# KiCad board Stima V4 Master.kicad_pcb (continued)
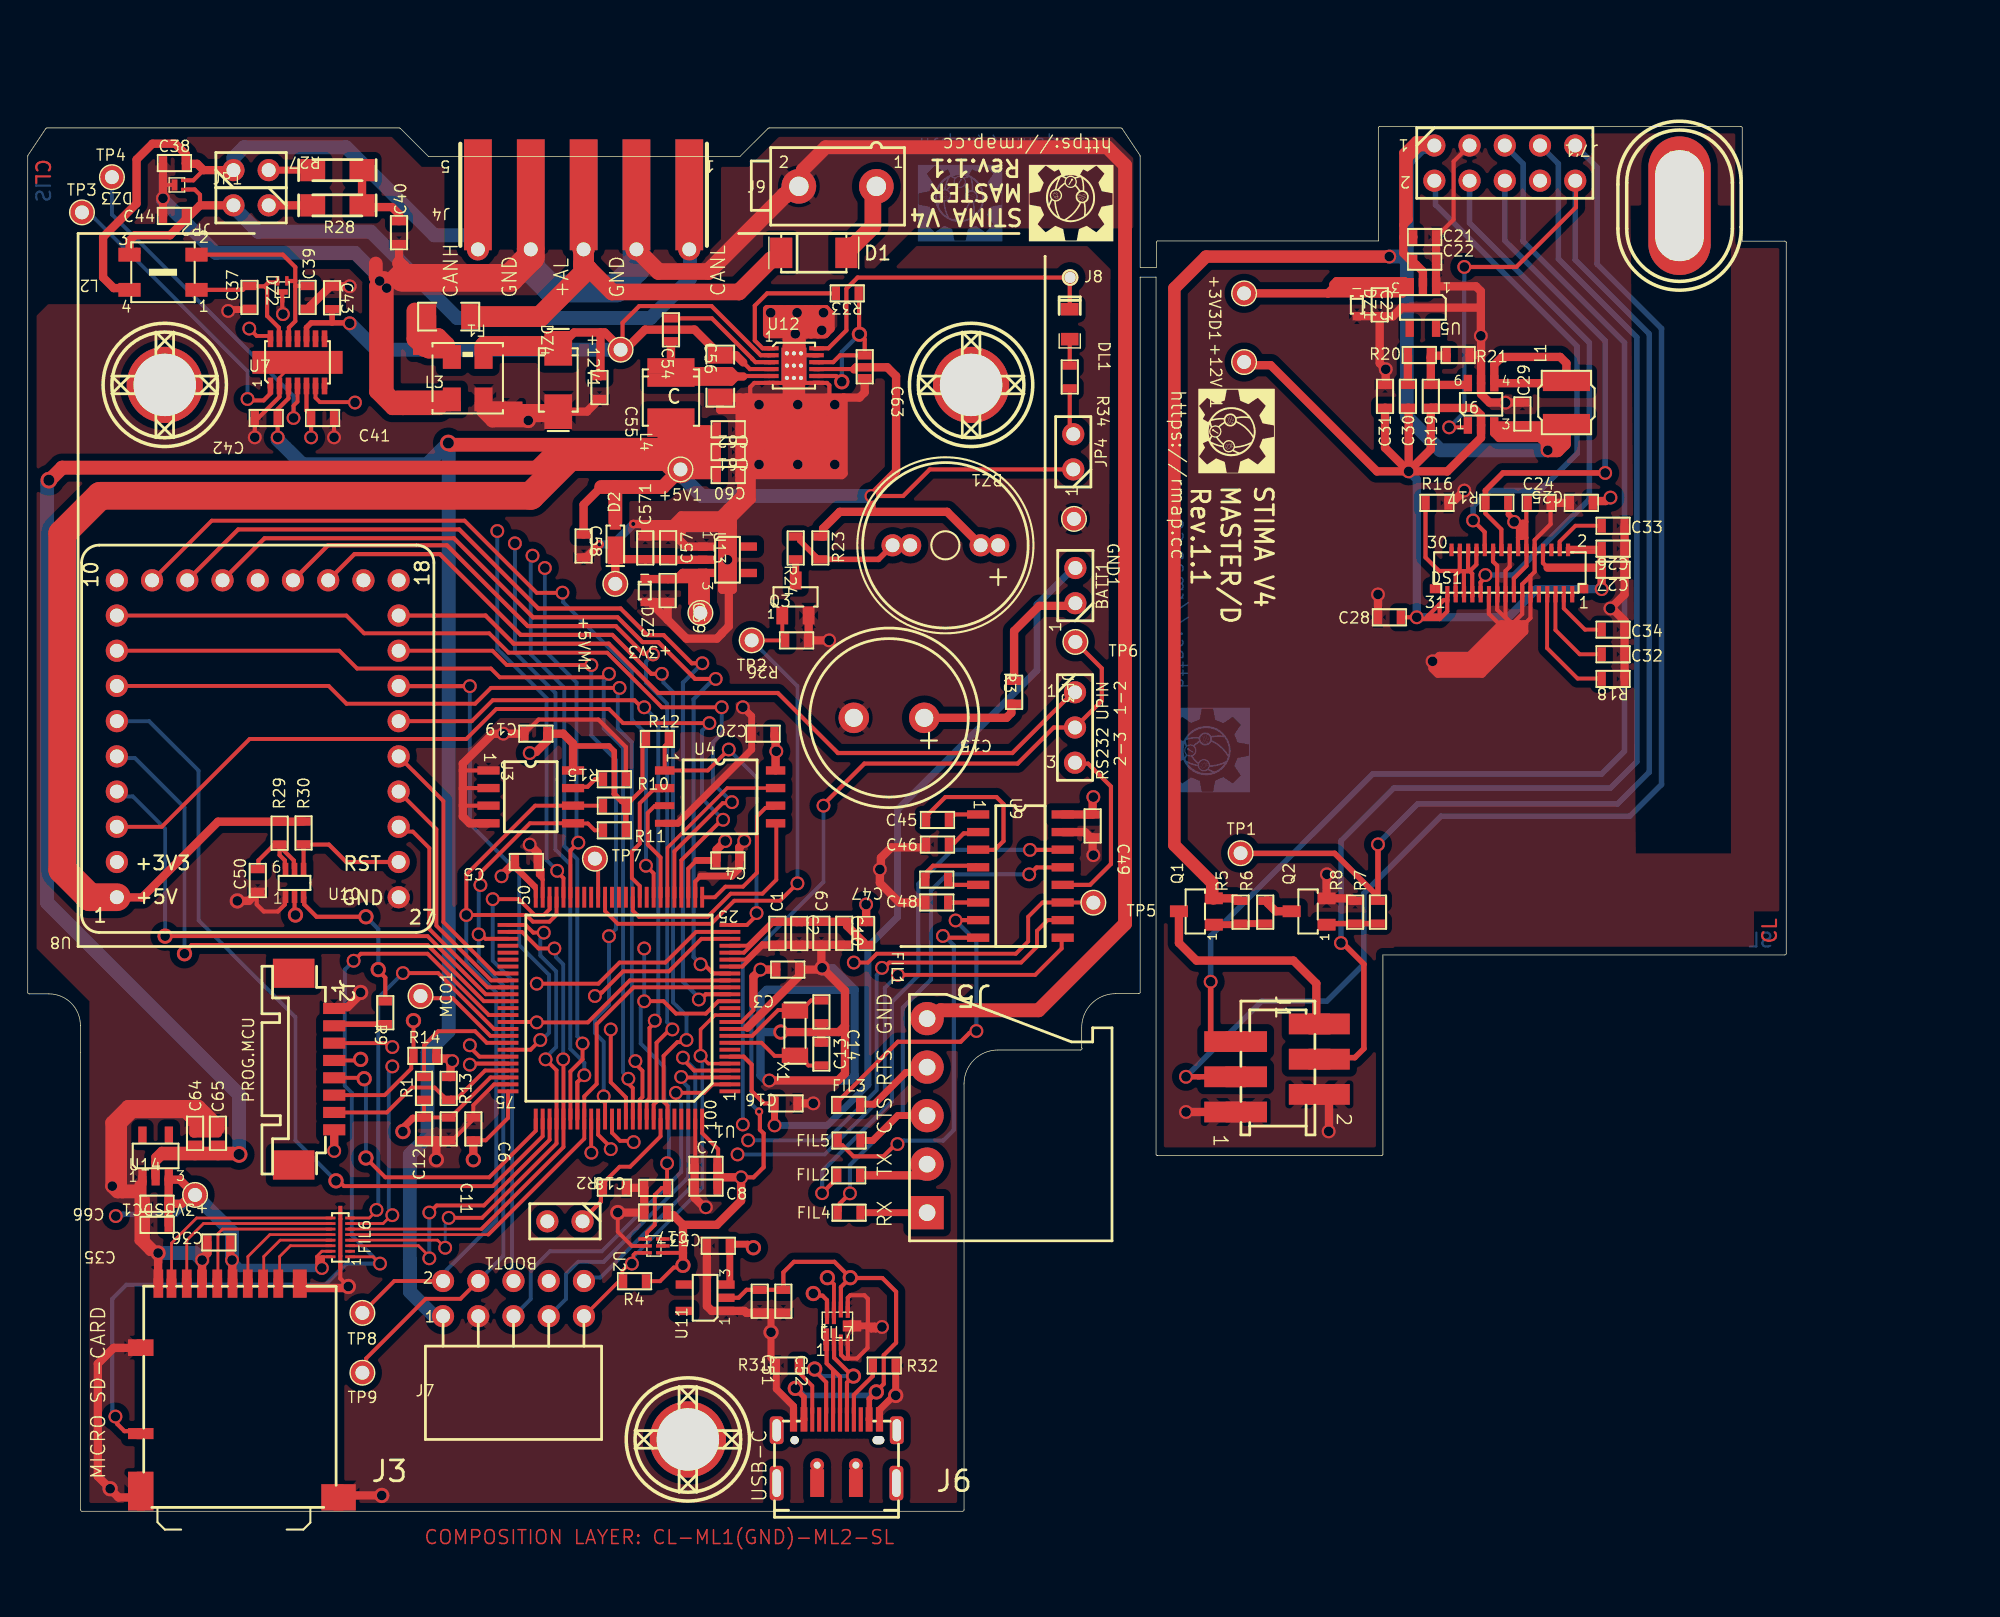
[diagram p0: board, top side]
## Routing (per net, layer and track width the routed paths; a pad name or vN(x,y) marks a point on that pad's centre or on a via; arc(x,y) is an arc through that point) (continued)
-RESET: length 61.6
  Top Layer w0.28: U2.1 44.65,20.1 45.21,20.66 45.21,22.82 45.72,23.33 C18.1 v1(46.1,25.11) ; v1(44.45,36.79) 44.45,36.79 45.84,36.79 46.74,35.9 48.89,35.9 49.79,36.79 U1.14
  Top Layer w0.3: U10.3 19.94,44.28 19.94,43.78 20.83,42.89 v2(24.38,42.89) ; R9.1 25.78,38.5 25.27,39.01 v2(25.27,39.08)
  Mid-Layer 2 w0.28: 44.61,40.6 43.63,39.61 25.85,39.61 25.31,39.08 v2(25.27,39.08)
  Bottom Layer w0.28: v1(46.1,25.11) 46.23,25.23 46.23,29.38 45.9,29.71 45.9,32.04 44.2,33.74 44.2,36.34 44.45,36.59 44.45,40.47
  Bottom Layer w0.3: v2(24.38,42.89) 25.27,42 v2(25.27,39.08)
  vias: v1(44.45,40.6)
/Stima V4 Master_Can_RS232/CANH: length 46.3
  Top Layer w0.3: 12.67,96.75 11.94,96.01 DZ3.2
  Top Layer w0.6: JP1.1 12.67,96.75 12.22,97.2 11.4,97.2 C38.2 11.4,97.89 10.64,98.65 8.99,98.65 7.85,97.51 7.85,94.33 5.43,91.92 5.43,89 6.2,88.24 7.21,88.24 L2.4
  Bottom Layer w1: JP1.1 14.83,97.64 15.59,98.4 22.96,98.4 29.31,92.05 32.46,92.05 J4.5
/Stima V4 Master_Can_RS232/CANL: length 51.5
  Top Layer w0.3: DZ3.1 12.04,95.35 12.42,94.97 12.42,94.21
  Top Layer w0.6: L2.3 7.64,90.65 7.84,90.85 ; 11.4,93.25 11.4,93.19 10.26,92.05 7.72,92.05 7.34,91.67 7.34,90.78 ; 11.43,93.22 12.42,94.21 14.83,94.21
  Bottom Layer w1: J4.1 47.75,90.98 47.75,88.93 44.91,86.08 30.96,86.08 24.74,92.3 16.61,92.3 14.83,94.08 14.83,94.21
/Stima V4 Master_Can_RS232/RST: length 9.2
  Top Layer w0.3: U10.4 R30.1 19.9,48.09 21.72,48.09 22.97,46.84 U8.26
/Stima V4 Master_Can_RS232/USART2_RX: length 54.6
  Top Layer w0.3: 75.44,59.14 70.99,54.7 58.42,54.7 54.09,59.03 45.45,59.03 41.9,62.58 35.04,62.58 33.01,64.62 U8.19
/Stima V4 Master_Cpu/PA2/F_-CS: length 22.7
  Top Layer w0.28: v1(50.55,54.95) 49.04,53.44 U4.1 45.92,55.21 46.23,55.51 R12.2 ; v1(52.55,43.15) 52.55,42.99 51.86,42.29 U1.25
  Bottom Layer w0.28: v1(52.55,43.15) 52.55,52.95 v1(50.55,54.95)
/Stima V4 Master_Cpu/PA3/F_SCK: length 10.4
  Top Layer w0.28: U1.26 49.54,44.29 50.31,45.06 51.58,45.06 52.58,46.06 52.58,50.12 53.19,50.74 53.76,50.74 U4.6
/Stima V4 Master_Cpu/PA6/F_I/O3: length 13.1
  Top Layer w0.25: U1.31 46.13,47.87 50.43,52.17 U4.7
/Stima V4 Master_Cpu/PA7/F_I/O2: length 7.9
  Top Layer w0.28: U1.32 45.63,47.17 44.7,48.09 44.7,50.38 45.21,50.89 45.91,50.89 U4.3
/Stima V4 Master_Cpu/PA13/SWDIO: length 14.5
  Top Layer w0.28: U1.72 32.98,31.79 31.02,29.84 30.51,29.84 R13.1 ; 30.35,29.79 30.04,29.79 29.99,29.84 29.99,29.91 29.34,30.57 27.69,30.57 25.89,28.77 J2.7
/Stima V4 Master_Cpu/PA14/SWCLK: length 23
  Top Layer w0.28: J2.5 24.19,31.27 v2(24.26,31.2) ; U1.76 36.63,27.44 33.27,24.09 25.78,24.09 v2(24.38,25.49)
  Bottom Layer w0.28: v2(24.38,25.49) 24.38,31.07 v2(24.26,31.2)
/Stima V4 Master_Cpu/PB0/F_I/O1: length 9.5
  Top Layer w0.28: U4.2 45.76,52.01 45.07,52.01 44.13,51.07 44.13,48.15 43.56,47.58 43.56,45.68 44.13,45.11 U1.35
/Stima V4 Master_Cpu/PB1/F_I/O0: length 16.7
  Top Layer w0.28: 53.97,49.62 53.97,45.55 52.97,44.55 50.69,44.55 49.02,42.89 44.07,42.89 43.63,43.33 U1.36
/Stima V4 Master_Cpu/PB3/SWO: length 28.8
  Top Layer w0.28: v1(26.29,33.49) 26.09,33.49 25.81,33.77 J2.3 ; v1(42.04,34.76) 42.04,30.95 43.13,29.86 U1.89
  Mid-Layer 2 w0.28: v1(42.04,34.76) 40.51,36.28 35.94,36.28 34.8,35.14 31.24,35.14 29.59,33.49 v1(26.29,33.49)
/Stima V4 Master_Cpu/USART4_RX: length 35.3
  Top Layer w0.28: J2.6 25.74,30.02 27.65,31.93 27.65,32.69 R14.1 v2(27.81,35.39) ; v1(36.7,38.06) 41.15,38.06 42.67,39.58 45.97,39.58 48.18,41.79 U1.24
  Mid-Layer 2 w0.28: v1(36.7,38.06) 35.43,38.06 33.53,36.15 30.35,36.15 29.62,35.42 27.84,35.42 v2(27.81,35.39)
/Stima V4 Master_Cpu/USART4_TX: length 32.6
  Top Layer w0.28: U1.23 48.57,41.29 46.23,38.95 42.93,38.95 41.39,37.41 41.33,37.41 41.09,37.17 v1(40.89,37.17) ; J2.4 23.92,32.52 v2(24,32.6)
  Mid-Layer 2 w0.28: v2(24,32.6) 24.03,32.62 24.03,33.39 25.02,34.38 29.46,34.38 30.73,35.65 34.04,35.65 35.31,36.92 40.45,36.92 40.7,37.17 v1(40.89,37.17)
BUZZER: length 39.7
  Top Layer w0.28: Q3.1 54.41,63.23 54.61,63.02 R26.2 TP2.1 ; v1(55.5,45.3) 54.24,44.04 50.94,44.04 49.28,42.38 42.54,42.38 41.63,43.29 U1.40
  Bottom Layer w0.28: v1(55.5,45.3) 55.5,59.52 TP2.1
CAN1_RX: length 91.8
  Top Layer w0.28: U7.4 19.45,80.04 19.16,79.76 v1(19.16,78.87) ; v1(40,33.74) 40,32.6 39.13,31.72 U1.81
  Mid-Layer 2 w0.28: v1(36.4,68.93) 36.4,70.48 32.36,74.52 20.42,74.52 19.16,75.78 v1(19.16,78.87) 19.21,78.91
  Bottom Layer w0.28: v1(40,33.74) 40,33.88 39.62,34.27 39.62,47.04 38.68,47.98 38.68,59.41 36.27,61.82 36.27,68.81 v1(36.4,68.93) ; v1(19.16,78.87) 19.16,80.45 6.07,93.55 TP4.1
CAN1_TX: length 92.3
  Top Layer w0.3: v1(40.13,31.46) 39.63,30.95 U1.82 ; v1(15.85,80.24) 15.95,80.14 17.01,80.14 17.5,80.63 U7.1 U7.1
  Mid-Layer 2 w0.28: v1(15.85,80.24) 15.65,80.24 15.38,79.97 15.38,79.97 15.21,79.8 15.21,76.94 18.26,73.89 32.1,73.89 35.13,70.86 v1(35.13,69.82)
  Bottom Layer w0.28: v1(15.85,80.24) 15.85,82.24 4.81,93.29 4.73,93.29 4.32,93.7 TP3.1 ; v1(35.13,69.82) 35.13,61.95 38.05,59.03 38.05,47.73 39.12,46.66 39.12,33.36 40.13,32.34 v1(40.13,31.46)
EGND: length 190.7
  Top Layer w0.6: 26.77,90.03 C40.1 ; C44.1 v1(9.75,94.72) C38.1 ; 25.35,88.61 25.41,88.61 25.77,88.24 v1(25.88,88.24)
  Top Layer w1: 27.06,79.58 25.88,80.76 v1(25.88,88.24) ; 27.06,79.58 29.67,79.58 29.95,79.86 30.43,79.86 30.44,79.87 30.44,80.35 ; 27.06,79.58 26.29,79.58 25.12,80.75 25.12,88.38 25.7,88.96 ; 25.98,88.68 27.05,89.75 26.77,90.03 ; 26.67,80.35 30.44,80.35 ; 30.44,80.35 L3.4 ; J9.2 55.89,95.87 55.89,96.75 57.53,98.4 77.82,98.4 79.12,97.1 79.12,42.38 72.89,36.14 65.82,36.14 65.22,35.55 64.85,35.55 ; v1(25.37,88.75) 25.09,89.03 25.09,90
  Top Layer w1.2: J4.2 45.49,89.44 49.08,89.44 54.57,94.93 54.6,94.93 55.25,95.58 J9.2
  Top Layer w2: J4.4 36.27,90.47 34.77,88.97 27.03,88.97
  Bottom Layer w1: v1(9.75,94.72) 9.75,94.59 13.56,90.78 23.6,90.78 25.88,88.49 v1(25.88,88.24)
  Bottom Layer w2: J4.2 43.89,89.66 42.44,88.21 37.72,88.21 36.27,89.66 J4.4
EN+5VE: length 350.4
  Top Layer w0.28: U6.1 103.7,78.19 v1(102.49,78.19) ; U1.4 48.05,31.79 47.12,32.73
  Top Layer w0.3: v1(103.58,89.76) 107.33,89.76 111.63,94.07 111.63,95.93 J7'1.10
  Top Layer w0.4: 97.36,48.17 R7.2 97.18,44.04 97.08,44.14 97.08,44.61 94.23,47.46 87.47,47.46 TP1.1
  Layer 1 w0.254: 111.61,95.99 112.93,97.31 112.93,101.81 113.94,102.83 125.12,102.83 136.04,91.91 136.04,34.25 100.99,-0.8 42.7,-0.8 41.43,0.47 41.43,15.31 40.13,16.61
  Bottom Layer w0.28: J7.10 40.35,16.86 41.28,16.86 48.13,23.71 48.13,31.84 v1(47.24,32.73) 47.12,32.73
  Bottom Layer w0.3: v1(103.58,89.76) 103.58,79.28 v1(102.49,78.19)
  Bottom Layer w0.4: v1(97.36,48.11) 97.36,48.17 100.22,51.03 114.63,51.03 116.92,53.31 116.92,84.94 111.58,90.27 J7'1.10
EN_CAN: length 48.9
  Top Layer w0.28: v1(39.7,48.23) 39.13,47.66 U1.45 ; v1(23.6,79.98) 23.57,80.01 21.07,80.01 20.75,80.33 U7.6
  Mid-Layer 2 w0.28: v1(23.6,79.98) 28.29,75.28 32.61,75.28 37.41,70.48 37.41,68.17 v1(37.29,68.05)
  Bottom Layer w0.28: v1(39.7,48.23) 39.57,48.36 39.57,59.79 37.29,62.08 v1(37.29,68.05)
ENC_A: length 354.3
  Top Layer w0.28: v1(46.74,30.19) 48.77,30.19 49.38,30.79 U1.2
  Top Layer w0.4: v1(85.29,38.2) 85.29,34.43 85.84,33.88 J1.5
  Layer 1 w0.254: J7'1.5 106.5,103.41 108.08,104.99 126.11,104.99 138.18,92.92 138.18,32.85 102.11,-3.22 38.23,-3.22 35.05,-0.04 35.05,14.04 J7.5
  Bottom Layer w0.28: 46.74,30.06 46.74,29.87 47.12,29.48 47.12,24.47 41.4,18.76 37.65,18.76 36.27,17.37 36.27,15.32 J7.5
  Bottom Layer w0.4: J7'1.5 107.82,97.2 107.82,91.62 115.14,84.3 115.14,54.84 113.49,53.19 96.98,53.19 85.29,41.5 v1(85.29,38.2)
ENC_B: length 341.5
  Top Layer w0.28: v1(47.12,31.33) 47.15,31.29 U1.3
  Top Layer w0.4: 94.82,40.99 96.34,39.47 96.34,33.37 95.69,32.73 93.94,32.73 J1.4
  Layer 1 w0.254: J7.7 37.57,-0.14 39.5,-2.07 101.6,-2.07 137.03,33.36 137.03,92.42 125.48,103.97 110.11,103.97 109.04,102.9 J7'1.7
  Bottom Layer w0.28: J7.7 38.81,15.32 38.81,17.12 39.69,17.99 41.53,17.99 47.62,24.09 47.62,30.6 47.12,31.11 v1(47.12,31.33)
  Bottom Layer w0.4: v1(94.69,40.99) 94.69,48.36 98.5,52.17 114.12,52.17 116.03,54.08 116.03,84.68 110.36,90.35 110.36,97.2 J7'1.7
I2C1_SCL: length 62.4
  Top Layer w0.28: v1(47.5,34) 47.35,33.84 46.84,33.84 45.85,32.85 45.85,29.55 46.13,29.27 U1.95
  Top Layer w0.3: U8.16 23.56,69.05 29.72,69.05 35.55,63.22 42.15,63.22 44.96,60.41 v1(45.72,60.41)
  Bottom Layer w0.28: v1(45.72,60.41) 45.84,60.3 45.84,59.79 46.53,59.09 46.53,36.71 47.5,35.74 v1(47.5,34)
I2C1_SDA: length 65.5
  Top Layer w0.28: v1(46.48,34.76) 46.29,34.76 45.34,33.8 45.34,29.55 45.13,29.34 U1.93
  Top Layer w0.3: U8.15 21.65,69.68 30.23,69.68 36.05,63.85 42.4,63.85 44.4,61.86 45.03,61.86 v1(45.08,61.81)
  Bottom Layer w0.28: v1(45.08,61.81) 45.08,61.79 44.58,61.28 44.58,59.78 46.1,58.25 46.1,35.28 46.48,34.9 v1(46.48,34.76)
KEY1: length 346.7
  Top Layer w0.25: U1.5 49.07,32.29 48.53,32.83 ; v1(48.51,32.85) 48.51,34.76 49.55,35.79 U1.12 ; 42.87,16.84 42.93,16.79 R4.1 ; 42.87,16.84 42.87,17.35 43.4,17.87 v1(43.56,17.87) 43.67,17.97 43.67,18.5 43.82,18.64 U2.3 ; 42.87,16.84 J7.9
  Top Layer w0.28: J7.9 40.46,14.07
  Top Layer w0.4: 84.4,31.34 J1.3 ; v1(83.51,31.34) 84.43,31.34
  Layer 1 w0.254: 111.56,98.53 111.48,98.6 111.48,102.32 112.62,103.46 125.2,103.46 136.5,92.16 136.5,33.87 101.19,-1.44 41.87,-1.44 40.23,0.2 40.23,14.06 40.22,14.07 J7.9 40.08,14.07
  Bottom Layer w0.25: v1(43.56,17.87) 43.7,18.01 43.7,18.39 48.64,23.33 48.64,32.73 v1(48.51,32.85)
  Bottom Layer w0.4: v1(83.51,31.34) 88.98,36.8 93.67,36.8 96.34,39.47 96.34,44.58 101.9,50.14 115.52,50.14 117.8,52.42 117.8,85.32 113.16,89.96 113.16,96.95 J7'1.9
PA11/USB_DM: length 41.6
  Top Layer w0.28: 57.68,16.83 58.13,16.38 FIL7.7 ; U1.70 32.57,32.79 31.88,33.49 v1(31.88,33.61)
  Mid-Layer 2 w0.4: v2(57.66,16.85) 57.66,18.5 55.24,20.91 47.37,20.91 44.32,23.96 38.48,23.96 33.27,29.17 33.27,32.22 v1(31.88,33.61)
PA12/USB_DP: length 39.4
  Top Layer w0.3: FIL7.8 57.63,15.23 57.3,15.55 56.8,15.55 v2(56.64,15.71) ; 31.88,32.29 U1.71
  Mid-Layer 2 w0.4: v1(31.88,32.22) 31.88,29.55 38.1,23.33 43.81,23.33 46.99,20.15 54.23,20.15 55.88,18.5 55.88,16.47 v2(56.64,15.71)
PB10/I2C2_SCL: length 351.4
  Top Layer w0.28: TP8.1 26.43,16.61 J7.2 ; R10.1 U3.6 36.59,50.9 31.62,45.93 v1(31.62,43.01) 35.94,43.01 36.42,42.53 37.62,42.53 38.13,43.04 U1.47 ; 105.04,69.69 105.05,69.68
  Top Layer w0.3: 105.05,69.5 105.05,70.64 v1(104.22,71.47)
  Layer 1 w0.254: J7'1.2 102.62,97.18 102.62,102.7 106.43,106.51 126.75,106.51 139.7,93.56 139.7,31.58 103.12,-4.99 35.67,-4.99 31.24,-0.56 31.24,15.31 J7.2
  Bottom Layer w0.28: v1(31.62,43.01) 31.62,39.58 33.78,37.42 33.78,20.98 30.2,17.4 30.2,16.86 J7.2
  Bottom Layer w0.4: J7'1.2 101.5,95.9 101.5,94.25 111.71,84.05 111.71,76.3 109.04,73.63 105.36,73.63 104.22,72.49 v1(104.22,71.47)
PB14/I2C2_SDA: length 340.3
  Top Layer w0.28: v1(32.51,41.62) 32.69,41.62 33.01,41.29 U1.53 ; TP9.1 24.4,10.26 24.4,11.03 28.7,15.33 31.2,15.33 J7.4 ; 32.64,45.3 32.64,46.06 36.21,49.63 U3.5 39.33,49.62 40.39,49.62 40.88,49.12 R11.1
  Top Layer w0.3: 104.75,65.99 104.75,67.01 105.1,67.36 v1(105.1,67.54)
  Layer 1 w0.254: J7'1.4 105.16,97.18 105.16,103.34 107.31,105.5 126.36,105.5 138.68,93.18 138.68,32.47 102.36,-3.85 37.08,-3.85 33.78,-0.55 33.78,15.31 J7.4
  Bottom Layer w0.28: v1(32.64,45.17) 32.51,45.04 v1(32.51,41.62) 32.51,39.71 34.29,37.93 34.29,18.41 J7.4
  Bottom Layer w0.4: J7'1.4 103.96,92.94 112.6,84.3 112.6,73 107.14,67.54 v1(105.1,67.54)
PD3/232_CTS: length 49.3
  Top Layer w0.28: 62.75,38.69 72.64,38.69 74.55,40.6 74.55,41.36 ; U1.84 40.63,25.88 v1(40.64,25.87) ; 74.07,41.22 74.23,41.38 U9.9
  Mid-Layer 2 w0.28: v1(40.64,25.87) 41.4,25.11 44.32,25.11 45.34,26.12 50.66,26.12 51.04,25.74 v1(51.18,25.74)
  Bottom Layer w0.28: v1(51.18,25.74) 57.47,25.74 61.8,30.07 61.8,37.75 v1(62.74,38.69)
PD4/232_RTS: length 47.8
  Top Layer w0.28: v1(61.59,39.2) 61.74,39.2 62.12,39.58 71.63,39.58 72.77,40.73 72.77,41.87 73.55,42.65 U9.10 ; U1.85 41.13,27.16 42.04,26.25 v1(42.04,26.12)
  Mid-Layer 2 w0.28: v1(42.04,26.12) 42.18,26.12 42.56,25.74 44.2,25.74 45.21,26.76 51.82,26.76
  Bottom Layer w0.28: v1(61.59,39.2) 61.59,39.06 61.21,38.68 61.21,30.38 57.59,26.76 v1(51.94,26.76)
PD5/232_TX: length 88
  Top Layer w0.28: TP5.1 76.82,43.92 U9.11 73.17,43.92 72.14,42.89 72.14,41.11 71.25,40.22 61.21,40.22 60.58,39.58 v1(59.56,39.58) ; v1(40.64,61.05) 34.54,61.05 33.51,62.08 U8.20 ; v1(41.53,29.93) 41.63,29.83 U1.86
  Mid-Layer 2 w0.28: v1(41.91,41.49) 42.8,42.38 50.67,42.38 51.43,41.62 57.53,41.62 v1(59.56,39.58)
  Bottom Layer w0.28: v1(40.64,61.05) 40.64,55.97 42.42,54.19 42.42,42.01 41.91,41.5 v1(41.91,41.49) 41.91,36.54 40.89,35.52 40.89,34.5 41.53,33.87 v1(41.53,29.93)
PD6/232_RX: length 65.3
  Top Layer w0.28: 43.69,26.72 42.71,26.72 42.13,27.3 U1.87 ; 75.45,56.35 75.83,56.35
  Top Layer w0.3: TP6.1 77.44,60.81 77.44,58.47 JP3.2 73.98,56.54 71.37,53.93 60.32,53.93 57.28,50.89
  Mid-Layer 2 w0.28: 51.56,27.77 51.05,27.26 44.47,27.26 43.83,26.63 v1(43.69,26.63)
  Bottom Layer w0.28: v1(57.38,50.9) 57.38,45.4 51.56,39.58 v1(51.56,27.9)
SD_DTC: length 69.6
  Top Layer w0.2: FIL6.1 24.91,18.36 25.27,17.99
  Top Layer w0.28: v1(23.49,39.71) 23.51,39.71 24.02,40.22 28.83,40.22 33.25,35.79 U1.64
  Top Layer w0.3: v1(6.32,6.83) 6.46,6.7 6.46,6.29 6.97,5.78 7.66,5.78 J3.CD1
  Bottom Layer w0.28: v1(23.49,39.71) 22.86,39.08 22.86,30.69 23.37,30.19 23.37,19.9 v1(25.4,17.87)
  Bottom Layer w0.3: v1(6.32,6.83) 6.32,7.02 6.1,7.25 6.1,15.33 7.11,16.34 21.46,16.34 22.99,17.87 v1(25.4,17.87)
SDMMC1_CK: length 36.4
  Top Layer w0.2: FIL6.6 32.71,20.36
  Top Layer w0.28: v1(38.61,32.6) 38.63,32.58 U1.80 38.63,26.27 32.71,20.36 ; U1.52 35.64,41.79 36.83,40.6 v1(37.97,40.6)
  Bottom Layer w0.28: v1(38.61,32.6) 38.61,39.46 38.09,39.98 38.09,40.48 v1(37.97,40.6)
SDMMC1_CMD: length 38.9
  Top Layer w0.2: FIL6.5 33.2,19.96
  Top Layer w0.28: 33.2,19.96 40.13,26.88 U1.83 ; U1.16 43.68,37.79 41.02,35.14 41.02,30.82 40.13,29.93 40.13,28.41
SDMMC1_D0: length 43.4
  Top Layer w0.2: FIL6.7 FIL6.7 25.62,20.76 26.28,21.42
  Top Layer w0.28: U1.65 36.67,35.29 v1(36.7,35.27) 40.39,35.27 43.41,38.29 U1.17
  Mid-Layer 2 w0.28: v1(26.29,32.09) 28.96,32.09 31.37,34.5 35.94,34.5 v1(36.7,35.27)
  Bottom Layer w0.28: v1(26.29,32.09) 26.29,31.9 26.03,31.64 26.03,21.81 26.29,21.55 v1(26.29,21.36)
SDMMC1_D1: length 29.2
  Top Layer w0.2: FIL6.8 24.62,21.16 25.22,21.75
  Top Layer w0.28: U1.66 33.62,34.79 29.59,38.82 v1(27.05,38.82)
  Bottom Layer w0.28: v1(27.05,38.82) 25.27,37.04 25.27,21.87 v1(25.15,21.74)
SDMMC1_D2: length 21.7
  Top Layer w0.2: FIL6.3 28.17,19.16 28.96,18.37 v1(28.96,18.25)
  Top Layer w0.28: v1(28.96,21.55) 28.97,21.55 29.48,22.06 32.89,22.06 37.63,26.79 U1.78
  Bottom Layer w0.28: v1(28.96,18.25) v1(28.96,21.55)
SDMMC1_D3: length 38.5
  Top Layer w0.2: v1(30.1,19.01) 29.55,19.56 FIL6.4
  Top Layer w0.28: U1.51 35.9,42.29 36.45,41.74 v1(37.21,41.74) ; v1(37.34,32.6) 38.13,31.81 U1.79 38.13,26.53 32.77,21.17 v1(30.35,21.17)
  Bottom Layer w0.2: v1(30.1,19.01) 30.1,20.7 30.35,20.95 v1(30.35,21.17)
  Bottom Layer w0.28: v1(37.21,41.74) 37.21,41.55 36.96,41.29 36.96,40.09 38.1,38.95 38.1,33.49 37.34,32.73 v1(37.34,32.6)
SPI1_CLK: length 63
  Top Layer w0.28: v1(50.77,51.15) 50.7,51.08 50.11,51.08 46.63,47.6 U1.30 ; v1(50.04,58) 45.72,58 41.78,61.94 34.67,61.94 33.27,63.33 24.26,63.33 22.97,64.62 U8.9
  Bottom Layer w0.28: v1(50.77,51.15) 49.4,52.52 49.4,55.46 50.04,56.09 v1(50.04,58)
SPI1_MISO: length 69.5
  Top Layer w0.28: U1.90 43.63,30.53 43.31,30.85 43.31,31.07 ; v1(41.91,60.41) 41.72,60.41 41.46,60.16 34.04,60.16 33.4,60.79 23.75,60.79 22.47,62.08 U8.8
  Bottom Layer w0.28: 43.31,31.07 v1(43.31,31.2) 43.31,31.27 42.93,31.65 42.93,55.08 41.53,56.47 41.53,59.89 41.91,60.27 v1(41.91,60.41)
SPI1_MOSI: length 69.2
  Top Layer w0.28: U1.91 44.13,29.68 44.32,29.88 44.32,31.77 43.81,32.28 43.81,32.34 ; U8.7 21.7,59.54 22.99,58.25 32.26,58.25 33.4,59.4 v1(42.67,59.4)
  Bottom Layer w0.28: 43.81,32.34 v1(43.81,32.47) 43.81,32.57 43.56,32.82 43.56,55.46 42.54,56.47 42.54,59.27 v1(42.67,59.4)
SPI1_NSS: length 61.4
  Top Layer w0.28: v1(49.15,56.86) 42.93,56.86 41.91,57.87 33.78,57.87 31.62,55.71 16,55.71 9.67,49.38 U8.3 ; U1.29 47.13,46.96 50.05,49.88 v1(50.14,49.88)
  Bottom Layer w0.28: v1(49.15,56.86) 49.15,56.84 48.61,56.3 48.61,51.41 v1(50.14,49.88)
STB_CAN: length 61.7
  Top Layer w0.28: U7.14 U7.14 16.51,84.79 v1(15.98,85.32) ; v1(38.18,46.2) 38.18,46.13 38.63,45.68 U1.46
  Mid-Layer 2 w0.28: v1(15.98,85.32) 15.98,85.2 14.58,83.81 14.58,76.43 17.88,73.13 31.6,73.13 33.86,70.86 v1(33.86,70.71)
  Bottom Layer w0.28: v1(33.86,70.71) 33.86,62.2 37.41,58.65 37.41,46.96 v1(38.18,46.2)
UPIN27_D4: length 19.5
  Top Layer w0.28: U8.23 29.97,51.23 29.97,42.5 33.68,38.79 U1.58
UPIN27_D5: length 17.6
  Top Layer w0.28: U8.24 29.46,49.2 29.46,42.25 33.42,38.29 U1.59
UPIN27_D6: length 16.1
  Top Layer w0.28: U1.60 33.16,37.79 28.96,42 28.96,47.84 27.77,49.03 27.09,49.03 U8.25
UPIN27_D8: length 38.8
  Top Layer w0.28: U1.61 33.02,37.29 28.83,41.49 v2(9.91,41.49)
  Bottom Layer w0.28: v2(9.91,41.49) 9.91,49.24 7.57,51.57 6.77,51.57 U8.4
UPIN27_D9: length 42.3
  Top Layer w0.28: v2(11.3,40.22) 11.3,40.35 11.81,40.85 28.83,40.85 32.89,36.79 U1.62
  Bottom Layer w0.28: U8.5 6.55,54.33 7.73,54.33 11.3,50.76 v2(11.3,40.22)
UPIN27_D10: length 58.9
  Top Layer w0.28: U1.77 37.13,27.05 33.53,23.45 22.8,23.45 22.42,23.84 v2(22.22,23.84)
  Bottom Layer w0.28: v2(22.22,23.84) 19.3,26.76 19.3,35.65 12.32,42.63 12.32,53.43 8.75,57 U8.6
UPIN27_PC0: length 70.4
  Top Layer w0.3: v1(48.39,36.92) 48.51,36.92 48.89,37.29 U1.15 ; U8.12 15.17,70.83 31.11,70.83 36.82,65.12 42.75,65.12 44.67,63.21 45.85,63.21 47.88,61.17 v1(48.64,61.17)
  Bottom Layer w0.3: v1(48.64,61.17) 47.24,59.78 47.24,38.2 48.39,37.06 v1(48.39,36.92)
UPIN27_PC3: length 64.9
  Top Layer w0.3: U8.13 17.08,70.19 30.73,70.19 36.44,64.49 42.53,64.49 44.32,62.7 45.47,62.7 48.12,60.04 v1(49.61,60.04) ; U1.18 49.43,38.79 48.9,39.32 48.65,39.32 v1(48.51,39.46)
  Bottom Layer w0.3: v1(48.51,39.46) 48.51,39.47 48.01,39.98 48.01,58.57 49.48,60.04 v1(49.61,60.04)
UPIN27_PC4: length 58.2
  Top Layer w0.28: v1(44.58,46.57) 45.13,46.02 U1.33 ; v1(38.56,66.27) 38.54,66.25 36.7,66.25 31.5,71.46 13.27,71.46 U8.11
  Bottom Layer w0.28: v1(44.58,46.57) 44.58,56.09 43.56,57.11 43.56,60.63 38.61,65.58 38.61,66.21 v1(38.56,66.27)
USART1_RX: length 36
  Top Layer w0.28: U1.69 36.26,33.29 v1(36.96,34)
  Top Layer w0.3: U8.21 26.76,59.52 v1(31.88,59.52)
  Bottom Layer w0.28: v1(36.96,34) 37.07,34 37.59,34.52 37.59,38.69 35.43,40.85 35.43,46.02 31.88,49.58 v1(31.88,59.52)
USART1_TX: length 49
  Top Layer w0.28: v1(45.21,35.39) 45.21,35.25 44.83,34.87 44.83,29.78 44.63,29.57 U1.92 ; v1(44.45,58) 44.26,58 43.75,58.51 33.53,58.51 32.02,57 U8.22
  Bottom Layer w0.28: v1(45.21,35.39) 45.21,35.59 45.47,35.84 45.47,56.98 v1(44.45,58)
Net-(BATT1-Pad1): length 8.8
  Top Layer w0.6: BATT1.1 75.35,65.31 72.93,65.31 71.12,63.5 R3.1
Net-(BZ1--): length 8.2
  Top Layer w0.4: BZ1.2 61.34,68.67 56.95,68.67 56.85,68.77 56.85,68.84 55.67,70.02 55.67,70.22 55.57,70.32 R24.1
Net-(C15-Pad1): length 7.3
  Top Layer w0.6: C15.1 70.57,57.24 70.92,57.59 70.92,58.25 R3.2
Net-(C30-Pad2): length 2.2
  Top Layer w0.6: C30.2 R20.1
Net-(C40-Pad2): length 6
  Top Layer w0.6: C40.2 26.77,93.57 26.26,94.08 24.23,94.08 R28.2 R27.1
Net-(D1-A): length 5.9
  Top Layer w1.2: J9.1 60.94,95.33 60.94,92.69 59.53,91.28 59.23,91.28 59.03,91.08 D1.2
Net-(D2-K): length 9.6
  Top Layer w0.6: 42.49,67.35 42.94,66.9 ; 42.37,68.68 C57.1 46.38,68.68 46.42,68.64 U13.2 ; 42.37,68.68 D2.1 ; 42.37,68.68 +5VM1.1
Net-(DL1-A): length 1.9
  Top Layer w0.3: R34.1 DL1.2
Net-(DL1-K): length 24.6
  Top Layer w0.3: U12.12 57.73,83.89 59.03,85.19 59.03,88.19 59.84,89 J8.1 ; DL1.1 75.13,89
Net-(DS1-D2): length 17.9
  Top Layer w0.3: 103.85,69.25 103.85,67.92 103.75,67.82 ; 103.24,67.82 103.49,67.82 ; 103.24,67.82 103.25,67.83 ; 103.24,67.82 102.95,67.53 102.95,66.37 ; 103.49,67.82 103.75,67.82 ; 103.49,67.82 103.55,67.76 103.55,65.99 ; 103.25,67.83 103.25,69.5 ; 103.25,67.83 101.76,67.83 100.79,68.81 R16.1 ; 103.75,67.82 103.98,67.82 ; 104.45,69.5 104.45,68.29 103.98,67.82 ; 104.15,65.99 104.15,67.64 103.98,67.82
Net-(DS1-IREF): length 8.6
  Top Layer w0.28: R18.2 113.46,60.07 111.75,60.07 109.55,62.27 109.55,65.99
Net-(DS1-VCOMH): length 4.2
  Top Layer w0.28: C33.1 111.59,71.09 110.45,69.95 110.45,69.25
Net-(DS1-VSEGM): length 4.2
  Top Layer w0.28: 110.75,65.99 110.75,65.13 112.28,63.6 C34.1
Net-(DS1-VSL): length 6.5
  Top Layer w0.28: C32.1 111.9,61.82 110.15,63.57 110.15,65.99
Net-(F1-Pad2): length 8.9
  Top Layer w1.2: 28.77,83.89 28.9,83.77 L3.1 30.07,84.02 30.2,84.15 29.61,84.74 28.77,84.74 ; 28.77,83.89 28.57,83.89 27.91,84.56 27.91,86.59 ; 28.77,83.89 28.77,84.74 ; F1.2 28.85,84.82 28.77,84.74
Net-(FIL2-Pad2): length 4.9
  Top Layer w0.6: FIL2.2 64.87,24.23
Net-(FIL3-Pad2): length 5.9
  Top Layer w0.5: FIL3.2 60.02,29.32 60.07,29.37 61.03,29.37 63.32,31.66 64.68,31.66 64.87,31.85
Net-(FIL4-Pad2): length 4.8
  Top Layer w0.5: 60.06,21.52 FIL4.2 64.83,21.54 64.85,21.55
Net-(FIL5-Pad2): length 5.5
  Top Layer w0.5: 64.85,28.55 62.74,28.55 60.93,26.74 FIL5.2
Net-(FIL6-CLK_EX): length 11.4
  Top Layer w0.2: J3.5 13.72,16.79 13.72,20.03 14.05,20.36 FIL6.11
Net-(FIL6-CMD_EX): length 8.1
  Top Layer w0.2: J3.3 15.87,16.75 15.87,18.37 17.46,19.96 FIL6.12
Net-(FIL6-DAT0_EX): length 13.6
  Top Layer w0.2: FIL6.10 12.67,20.76 11.47,19.55 J3.7
Net-(FIL6-DAT1_EX): length 14.7
  Top Layer w0.2: J3.8 10.37,19.34 12.18,21.16 FIL6.9
Net-(FIL6-DAT2_EX): length 6.2
  Top Layer w0.2: FIL6.14 18.94,19.16 18.16,18.37 18.16,16.2 J3.1
Net-(FIL6-DAT3_EX): length 6.8
  Top Layer w0.2: J3.2 17.02,16.79 17.02,18.37 18.2,19.56 FIL6.13
Net-(FIL7-IN1+): length 8.5
  Top Layer w0.3: 57.6,12.17 57.6,10.67 58.57,9.7 58.57,7.09 ; 58.07,7.09 58.07,10.13
Net-(FIL7-IN1-): length 12.4
  Top Layer w0.3: 56.68,10.2 57.57,9.31 57.57,7.09 ; 58.14,12.17 58.14,11.08 59.46,9.75 v2(59.54,9.75) 59.07,9.28 59.07,7.09
  Bottom Layer w0.3: v2(59.54,9.75) 57.25,9.75 v2(56.74,10.26)
Net-(FIL7-VBUS/ID): length 35
  Top Layer w0.3: U11.2 51.26,15.4 51.83,15.98 C51.1 54.43,15.98 ; v2(59.31,16.85) 58.63,16.17 FIL7.6 FIL7.6 ; v2(59.31,16.85) 59.34,16.82 61.62,16.82 62.61,15.83 62.61,12.15 61.72,11.26 61.72,9.19 61.19,8.65 v2(61.19,8.61) ; v2(59.31,16.85) 58.17,17.99 55.24,17.99 54.48,17.23 C52.1 ; 60.93,8.36 61.19,8.36
  Top Layer w0.4: 60.93,8.36 60.68,8.1 60.68,7.1 60.67,7.09 ; 55.97,7.09 55.97,8.24 v2(55.35,8.86)
  Bottom Layer w0.4: 60.93,8.36 55.98,8.36 55.35,8.99
Net-(J2-Pad2): length 3.7
  Top Layer w0.4: R9.2 22.22,35.14 J2.2
Net-(J6-CC1): length 3.7
  Top Layer w0.28: 56.57,7.09 56.57,9.04 55.6,10.01 55.6,10.39
Net-(J6-CC2): length 4.1
  Top Layer w0.3: 60.93,10.64 R32.1 60.93,9.75 59.57,8.39 59.57,7.09
Net-(JP1-Pad2): length 3.2
  Top Layer w0.5: JP1.2 R27.2
Net-(JP2-Pad1): length 3.2
  Top Layer w0.6: 17.37,94.21 R28.1
Net-(JP4-Pad2): length 3.4
  Top Layer w0.3: JP4.2 75.39,78.05 75.13,78.3 R34.2
Net-(Q1-B): length 3.7
  Top Layer w0.5: R6.1 R5.1 87.4,42.34 86.95,42.34 86.93,42.32 Q1.1
Net-(Q2-D): length 2.3
  Top Layer w0.6: R6.2 89.43,44.04 89.43,43.84 89.99,43.28 91.13,43.28 Q2.3
Net-(Q2-G): length 3.7
  Top Layer w0.4: Q2.1 93.73,42.39 R8.1 R7.1
Net-(Q3-D): length 1.5
  Top Layer w0.5: Q3.3 R24.2
Net-(U1A-PA8): length 7.5
  Top Layer w0.28: U1.67 33.36,34.29 30.64,37.01 28.48,37.01 MCO1.1
Net-(U1A-PA9): length 9.1
  Top Layer w0.28: R1.2 28.57,33.61 29.59,34.63 32.26,34.63 33.09,33.79 U1.68
Net-(U1A-PE10): length 2.9
  Top Layer w0.28: TP7.1 41.13,46.84 U1.41
Net-(U1B-PC14/OSC32_IN): length 8.4
  Top Layer w0.28: X1.2 55.28,32.85 53.85,32.85 52.91,33.79 U1.8 ; X1.2 54.91,33.3 ; X1.2 55.72,32.89 56.13,32.48 56.13,32.32 56.29,32.16 C13.1 ; 54.68,32.92 55.07,32.92
Net-(U1B-PC15/OSC32_OUT): length 7.8
  Top Layer w0.28: C14.1 57.22,36.85 56.48,36.85 55.72,36.09 ; U1.9 52.24,34.29 54.1,36.15 55.26,36.15 X1.1 55,35.77
Net-(U1B-PH3/BOOT0): length 10.2
  Top Layer w0.28: R2.2 41.64,23.5 41.64,23.82 42.67,24.85 43.43,24.85 45.63,27.05 U1.94
  Top Layer w0.3: BOOT1.1 40,21.01 41.33,22.33 41.33,23.19 R2.2
Net-(U1B-VBAT): length 58.8
  Top Layer w0.3: C16.2 53.09,29.42 52.2,30.31 52.2,32.22 51.62,32.79 U1.6
  Top Layer w0.5: 53.85,27.9 C16.2
  Bottom Layer w0.5: BATT1.2 75.41,68.05 72.77,65.4 72.77,60.67 62.71,50.61 62.71,42.86 60.58,40.73 60.58,30.76 57.66,27.84 v1(53.85,27.84)
Net-(U1B-VDDA): length 15.9
  Top Layer w0.28: U1.22 51.88,40.79 53.45,42.36 53.69,42.36 ; 53.69,42.36 53.85,42.52 C1.2 53.89,42.36 53.69,42.36 ; 53.69,42.36 53.69,42.35 51.64,40.29 U1.21
  Top Layer w0.6: FIL1.2 60.25,40.85 60.25,41.05 59.08,42.23 59.08,42.52 C10.1 C9.2 55.84,42.52 55.83,42.5 55.43,42.5 55.41,42.52 C1.2
Net-(U3-WP): length 2.4
  Top Layer w0.3: U3.7 39.41,52.26 40.36,52.26 40.9,52.8 41.47,52.8 R15.2
Net-(U6-LX): length 13.5
  Top Layer w0.6: U6.4 105.74,82.72 106.3,83.27 110.49,83.27 110.95,82.82 L1.2 110.82,81.38 U6.4
Net-(U6-VFB): length 6.2
  Top Layer w0.6: 101.17,83.21 R20.2 ; 101.17,83.21 101.31,83.36 102.31,83.36 R21.1 ; 101.17,83.21 R19.2 103.84,81.25 U6.6
Net-(U7-CANH): length 10.1
  Top Layer w0.3: U7.13 18.11,84.83 18.11,85.38 17.26,86.23 17.26,88.19 17.08,88.37 ; DZ2.2 17.36,88.65 17.08,88.37 ; 17.08,88.37 16.02,88.37 C37.2 15.79,88.39 15.51,88.11 L2.1
Net-(U7-CANL): length 14.6
  Top Layer w0.3: 19.29,88.37 19.29,85.85 18.83,85.39 18.83,84.82 U7.12 U7.12 ; 19.29,88.37 19.32,88.39 C39.2 ; 19.29,88.37 19.29,88.75 ; 19.29,88.75 19.29,89.75 18.39,90.65 L2.2 ; 19.29,88.75 18.78,88.75 18.76,88.72 18.71,88.72
Net-(U9-C1+): length 2.4
  Top Layer w0.3: U9.1 66.82,50.27 66.77,50.22 66.57,50.22 66.42,50.07 C45.2
Net-(U9-C1-): length 11.4
  Top Layer w0.3: C45.1 64.92,50.02 64.92,50.27 66.17,51.52 69.85,51.52 70.36,51.01 70.36,48.35 69.72,47.71 68.54,47.71 U9.3
Net-(U9-C2+): length 4.5
  Top Layer w0.3: U9.4 68.42,46.57 65.28,46.57 64.87,46.16 64.87,45.72 C47.2
Net-(U9-C2-): length 2.4
  Top Layer w0.3: C47.1 66.37,45.37 66.52,45.22 66.72,45.22 66.75,45.19 U9.5
Net-(U9-DO1): length 38.4
  Top Layer w0.3: v1(57.28,22.95) 58.21,23.88 58.22,23.88 58.37,24.03 FIL2.1 ; v1(72.26,47.71) 74.61,47.71 U9.14
  Bottom Layer w0.3: v1(72.26,47.71) 66.66,47.71 64.21,45.26 64.21,38.64 62.31,36.74 62.31,29.56 57.28,24.54 v1(57.28,22.95)
Net-(U9-DO2): length 22.6
  Top Layer w0.3: v1(66.9,42.62) 66.93,42.65 U9.7 ; FIL3.1 58.37,29.51 59.17,30.31 59.18,30.31 62.74,33.87 67.27,33.87 67.91,34.51 68.27,34.51 v1(68.4,34.64)
  Bottom Layer w0.3: v1(68.4,34.64) 68.4,41.1 66.9,42.6 v1(66.9,42.62)
Net-(U9-RIN1): length 36.2
  Top Layer w0.3: v1(72.21,45.95) 72.24,45.95 72.74,46.44 74.61,46.44 U9.13 ; FIL4.1 58.54,21.69 58.54,22.2 v1(59.28,22.93)
  Bottom Layer w0.3: v1(72.21,45.95) 66.29,45.95 65.13,44.78 65.13,38.35 63.09,36.32 63.09,28.78 59.28,24.97 v1(59.28,22.93)
Net-(U9-RIN2): length 26.7
  Top Layer w0.3: FIL5.1 58.39,26.54 58.54,26.39 58.74,26.39 59.54,25.6 61.7,25.6 62.59,26.49 v1(62.71,26.49) ; U9.8 66.12,41.38 v1(65.99,41.5)
  Bottom Layer w0.3: v1(65.99,41.5) 66.1,41.5 66.78,40.82 66.78,27.51 66.01,26.74 63.16,26.74 62.9,26.49 v1(62.71,26.49)
Net-(U9-RO1): length 13
  Top Layer w0.3: JP3.3 75.58,53.93 76.45,53.93 78.1,52.28 78.1,46.7 76.59,45.19 U9.12
Net-(U9-V+): length 2.4
  Top Layer w0.3: 66.42,48.22 66.8,48.22 67.48,48.9 68.44,48.9 U9.2
Net-(U9-V-): length 2.2
  Top Layer w0.3: C48.2 U9.6
Net-(U10-EN): length 6.8
  Top Layer w0.3: U10.6 18.54,46.38 18.54,46.95 18.16,47.33 R29.1 17.78,48.09 16.64,46.95 16.64,46.38 C50.2 ; U10.5 19.19,46.38 19.19,46.94 18.31,47.82 18.47,48.07
Net-(U12-BIAS): length 14.1
  Top Layer w0.3: U12.10 58.08,82.89 58.57,83.39 C63.1 60.35,84.53 59.94,84.94 59.94,87.83 R33.1 ; U12.8 58.29,81.89 58.57,81.61 58.7,81.61
  Bottom Layer w0.3: 58.32,81.48 58.7,81.86 58.7,83.64 v2(59.97,84.91)
  vias: v2(58.7,81.48)
Net-(U12-BST): length 8.6
  Top Layer w0.3: 53.62,82.89 U12.3 52.48,82.89 52.24,83.13 52.24,83.15 49.33,86.05 C54.1
Net-(U12-LX): length 18.5
  Top Layer w0.3: U12.5 51.62,81.89 51.59,81.86
  Top Layer w0.6: 51.08,81.86 46.63,81.86 L4.1 46.5,81.49 50.7,81.49 51.08,81.86 ; 51.08,81.86 50.7,82.24 46.76,82.24 L4.1 46.38,84.02 ; 51.08,81.86 51.59,81.86
Net-(U12-SPS): length 10
  Top Layer w0.3: R33.2 53.31,87.86 52.42,86.97 52.42,84.46 52.98,83.89 U12.1

## Copper pours and planes (outline as drawn; the poured copper is in the pictures)
+3V3 on Mid-Layer 2: 0.63,85.05 0.58,85.1 0.58,86.19 1.47,87.08 76.02,87.08 79.63,83.47 79.63,43.65 74.29,38.31 52.32,38.31 51.69,37.68 51.69,31.46 62.36,20.79 62.36,15.45 61.09,14.18 46.61,14.18 42.04,18.76 27.3,18.76 16.76,29.3 8.64,29.3 8.64,44.79 7.62,45.81 0.63,45.81
+3V3D on Mid-Layer 2: 81.91,26.25 98.42,26.25 98.42,40.73 126.31,40.73 126.31,89.62 81.91,89.62
GND on Top Layer: 123.36,99.51 123.36,91.43 123.39,91.4 126.31,91.4 126.31,40.73 98.55,40.73 98.55,26.25 81.91,26.25 81.91,91.02 98.93,91.02 98.93,99.53 123.35,99.53
GND on Top Layer: 0.63,40.6 0.63,86.24 1.47,87.08 12.9,87.08 15.44,89.62 23.19,89.62 24.33,88.48 24.33,87.33 25.22,86.45 59.26,86.45 64.08,91.27 76.4,91.27 78.08,89.6 77.85,46.81 68.66,38.31 67.06,36.71 67.06,0.59 4.44,0.59 4.44,36.79
GND on Bottom Layer: 52.93,88.73 49.38,85.18 27.51,85.18 23.22,89.46 15.41,89.46 13.03,87.08 1.5,87.05 0.63,86.19 0.63,40.6 4.44,36.79 4.44,0.59 67.06,0.59 67.06,32.09 73.28,38.31 79.63,38.31 79.63,87.98 78.91,88.73
GND on Bottom Layer: 123.36,99.51 123.36,91.43 123.39,91.4 126.31,91.4 126.31,40.73 97.1,40.73 97.1,26.25 81.91,26.25 81.91,91.02 98.93,91.02 98.93,99.53 123.35,99.53
GND on Mid-Layer 1: 0.63,84.92 2.29,86.57 10.62,86.57 13.41,89.37 23.57,89.37 24.46,88.48 24.46,85.81 25.35,84.92 48.97,84.92 52.4,88.35 78.43,88.35 79.63,87.21 79.63,38.31 73.28,38.31 67.06,32.09 67.06,7.58 52.7,7.58 52.7,0.59 4.44,0.59 4.44,36.79 0.63,40.6
GND on Mid-Layer 1: 123.36,99.51 123.36,91.43 123.39,91.4 126.31,91.4 126.31,40.73 98.55,40.73 98.55,26.25 81.91,26.25 81.91,91.02 98.93,91.02 98.93,99.53 123.35,99.53
EGND on Top Layer: 2.36,99.15 26.25,99.15 28.41,96.99 30.05,96.99 30.05,91.02 49.22,91.02 49.99,91.78 49.99,96.99 52,96.99 54.16,99.15 78.18,99.15 79.83,97.49 79.83,92.54 63.96,92.54 59.13,87.72 25.98,87.72 23.44,90.26 14.81,90.26 12.9,88.35 3.5,88.35 1.73,90.13 1.73,98.51
EGND on Bottom Layer: 2.63,99.41 24.57,99.41 27,96.99 30.05,96.99 30.05,91.02 49.22,91.02 49.99,91.78 49.99,96.99 53.54,96.99 55.7,99.15 78.18,99.15 79.83,97.49 79.83,90.26 52.83,90.26 49.15,86.57 27.13,86.57 23.44,90.26 14.81,90.26 12.9,88.35 3.5,88.35 1.73,90.13 1.73,98.51
EGND on Mid-Layer 1: 2.36,99.15 24.84,99.15 27,96.99 30.05,96.99 30.05,91.02 49.22,91.02 49.99,91.78 49.99,96.99 53.54,96.99 55.7,99.15 78.18,99.15 79.83,97.49 79.83,90.26 53.03,90.26 50.49,87.72 25.98,87.72 22.68,91.02 13.92,91.02 11.25,88.35 3.5,88.35 1.73,90.13 1.73,98.51
EGND on Mid-Layer 2: 2.36,99.15 24.84,99.15 27,96.99 30.05,96.99 30.05,91.02 49.22,91.02 49.99,91.78 49.99,96.99 53.54,96.99 55.7,99.15 78.18,99.15 79.83,97.49 79.83,89.36 78.19,87.72 25.98,87.72 23.44,90.26 14.81,90.26 12.9,88.35 3.5,88.35 1.73,90.13 1.73,98.51

Small or netless copper shapes (teardrops, artwork), in the pictures only: 30 on Bottom Layer

## Text on the board
Bottom Layer: https://rmap.cc | SL
User.Eco1: FILE NAME: | PCB DESIGNER: | DATE: | PART NO.: | DWG NO: | REV: | SCALE: | Viale Silvani 6 | 40122 Bologna Italy | Via del Fonditore 16/A | 40138 Bologna Italy | Customer: | Project By: | G. Cocchi | TITLE: | .Print_Date | Time: | .Print_Time | 1.1 | 1:1 | DigitEco | A | B | C | D | 1 | 2 | .Pcb_File_Name_No_Path | 3 | 4 | arpae | Stima V4-Master
Top Layer: COMPOSITION LAYER: CL-ML1(GND)-ML2-SL | CL
Top Overlay: PROG.MCU | UPIN | RS232 | 1-2 | 2-3 | 3 | MICRO SD-CARD | CANH | GND | +AL | CANL | USB-C | RTS | CTS | TX | RX | https://rmap.cc | 1 | 2 | 10 | 18 | +3V3 | +5V | RST | 27 | Rev.1.1 | MASTER | STIMA V4 | MASTER/D
Mid-Layer 1: ML1(GND)
Mid-Layer 2: ML2
Mechanical 4: APAAUB6F | -2P-TL003 | -2BM3Y | MF- | 142TQ2L | MSD02N16 | -2.2uH | 4X | 102SN1D | 7-338069-6 | 100M-10 | -SHB-B | ATCA/VY+ | DX07S016JA3R1500 | FC0H104ZFTBR24 | -TR-FE | RS232
